# Altium PCB as_x31.PcbDoc (part 5 of 6)
Units mm, origin at the board's own origin, x right, y up, seen from the top; angles counter-clockwise.
Board outline 130 x 100 mm, 6 copper layers (Top Layer, Ground_1, int_1, int_2, Power, Bottom Layer), stack 1.49 mm thick; 421 components, 378 nets, 2561 pads, 1344 vias.
Unrouted connection lines stored in the file: 3.
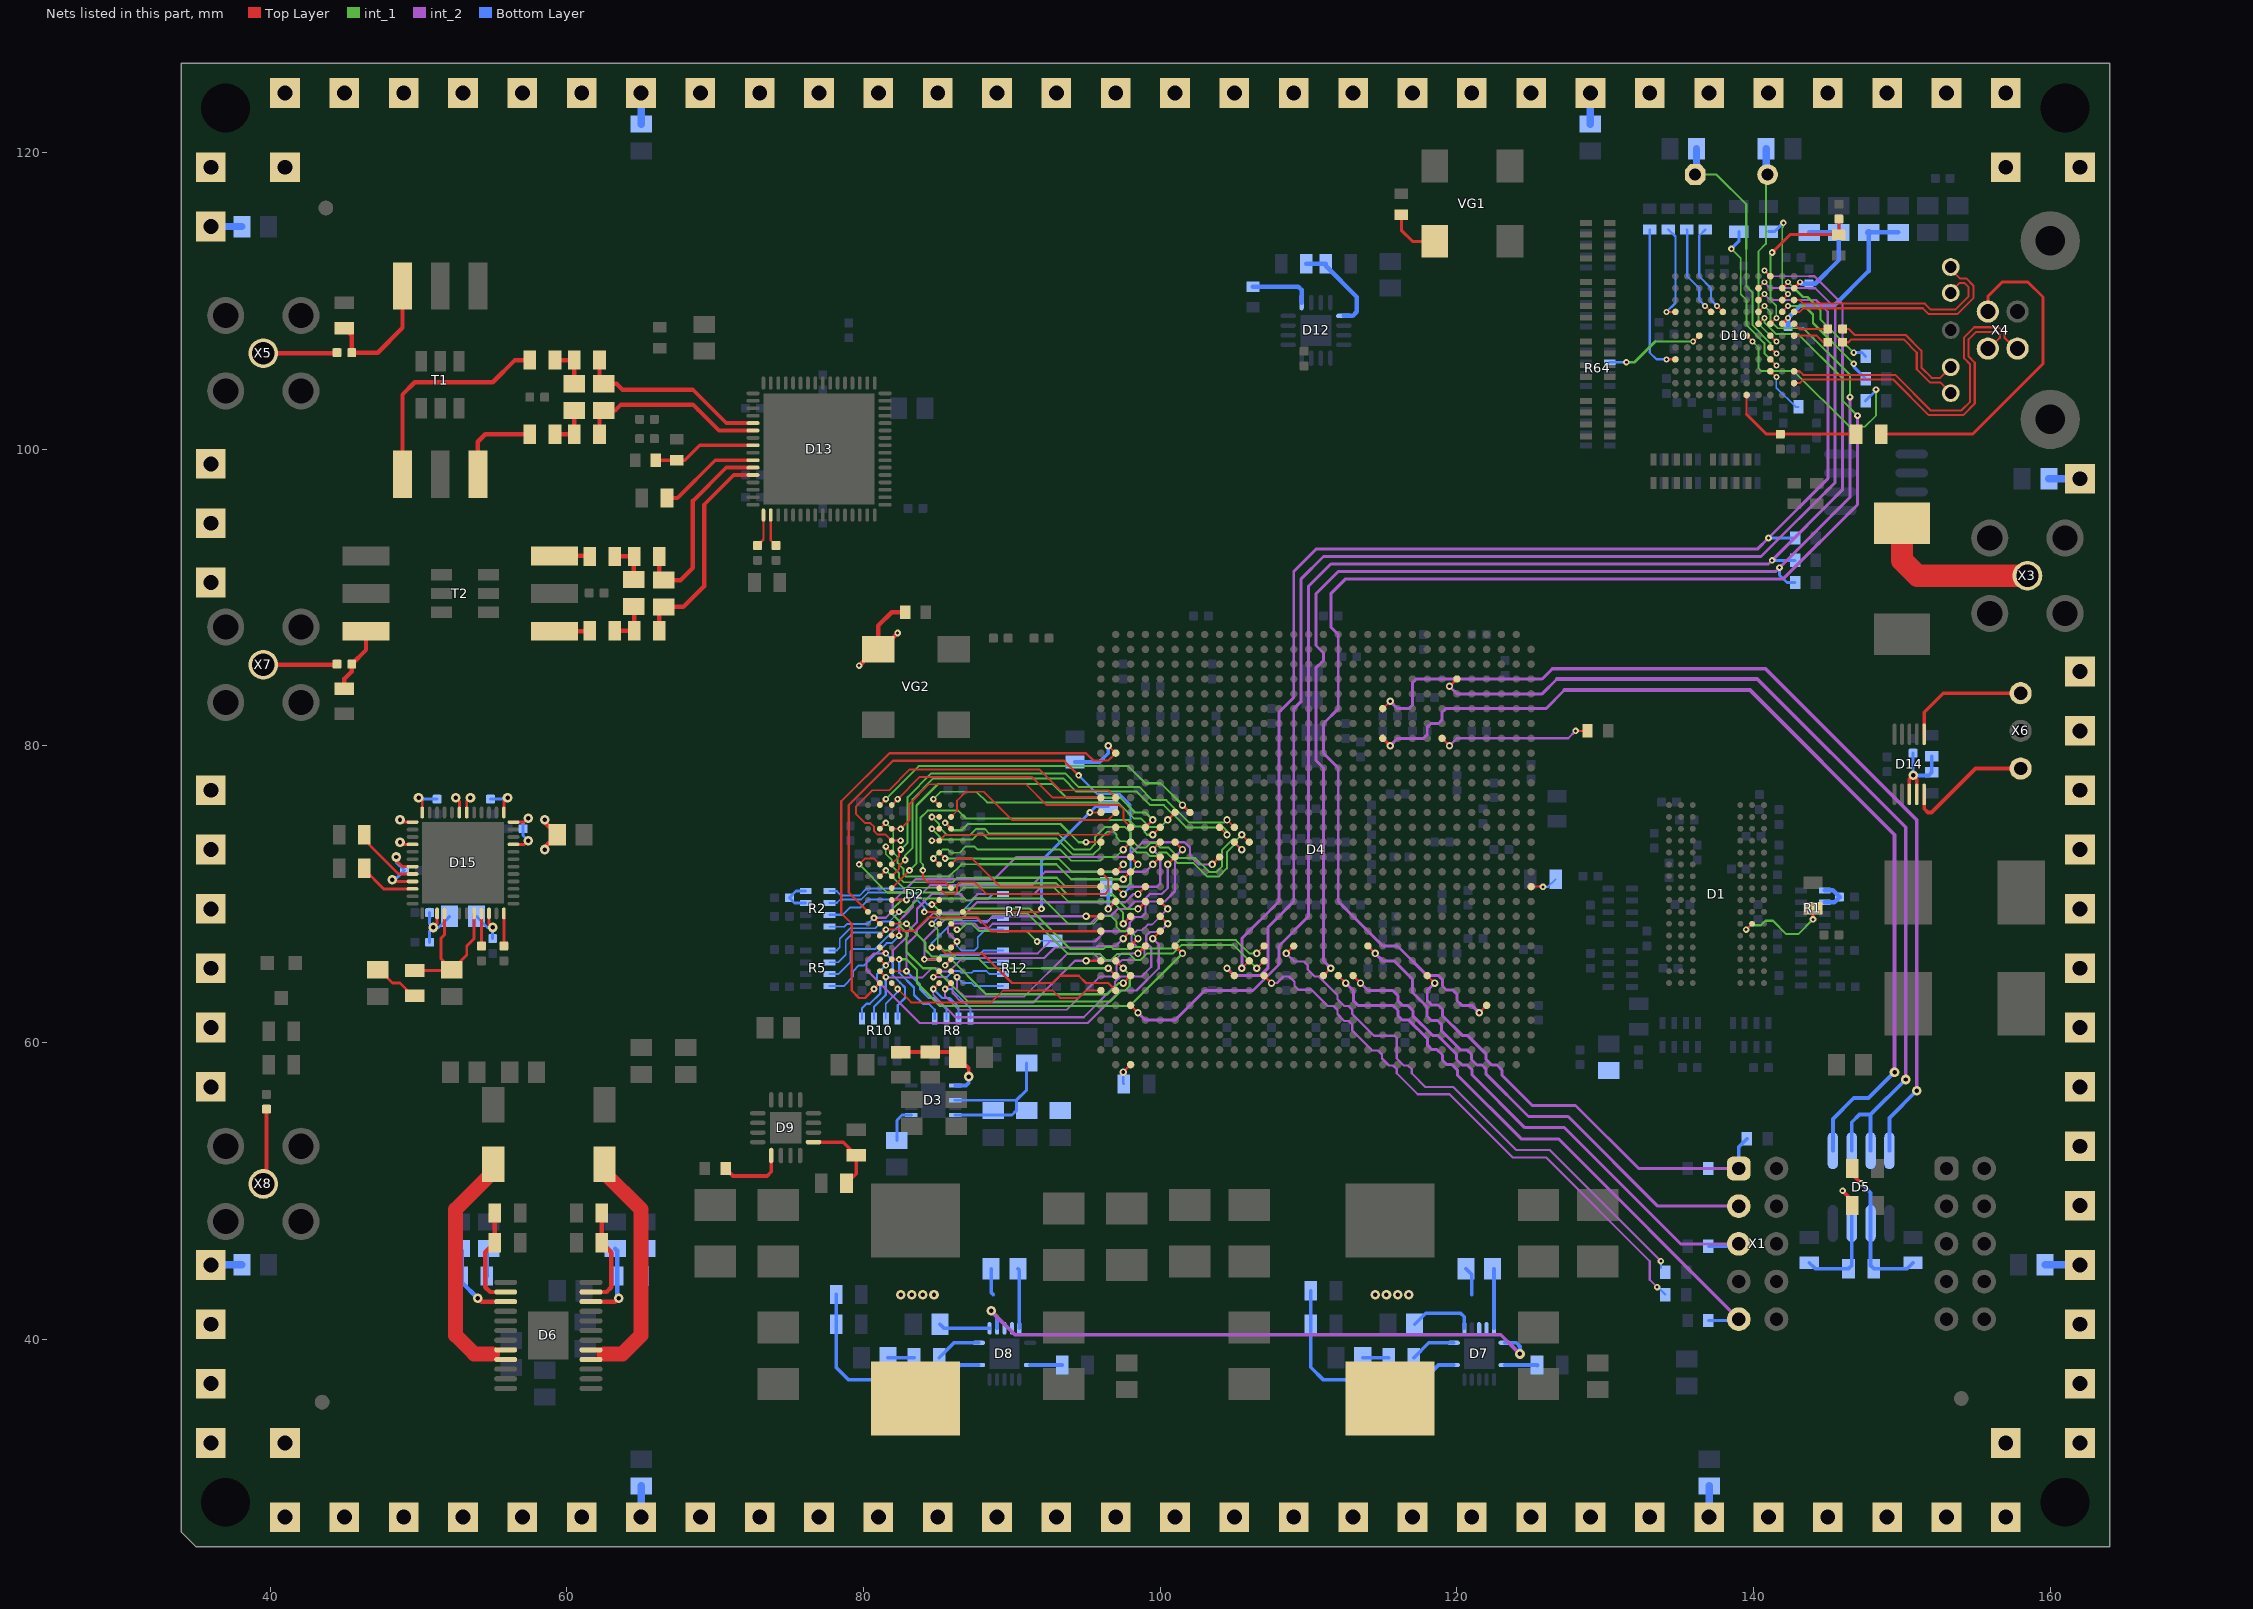
[diagram p9: the nets of this part, all layers, seen from the top]

## Via types
v1: diameter 0.5, hole 0.25, Top Layer to Bottom Layer, 538 vias
v2: diameter 0.45, hole 0.2, Top Layer to Bottom Layer, 348 vias
v3: diameter 0.65, hole 0.3, Top Layer to Bottom Layer, 223 vias
v4: diameter 0.5, hole 0.2, Top Layer to Bottom Layer, 100 vias
v5: diameter 0.4, hole 0.2, Top Layer to Bottom Layer, 83 vias
v6: diameter 0.75, hole 0.4, Top Layer to Bottom Layer, 45 vias
v7: diameter 0.6, hole 0.3, Top Layer to Bottom Layer, 7 vias

## Nets (pads, with @x,y where several pads share a name; then routed paths per layer and width w, separated by ;. In a path a pad name is that pad's centre, name@x,y a point inside that pad or via, vN(x,y) a via of type N, cw(c..) or ccw(c..) an arc to the next point about the centre after c; other vN are vias at no path point) (continued)
DDR1_A1: D2.P7 D4.A11 R12.8 | length 20.7
  Top Layer w0.125: v2(84.1,65.6) D2.P7@85.1,65.6
  Top Layer w0.15: v1(95,68.5) D4.A11@96,68.5
  int_2 w0.15: v2(84.1,65.6) 84.1,66.899 85.601,68.4 87.6,68.4 87.9,68.1 88.3,68.1 88.7,68.5 v1(95,68.5)
  Bottom Layer w0.125: 85.2,65.9 87.8,65.9 88.1,66.2
  Bottom Layer w0.15: v2(84.1,65.6) 84.9,65.6 85.2,65.9 ; 88.1,66.2 R12.8@89.4,66.2
DDR1_A2: D2.P3 D4.F9 R8.5 | length 28.8
  Top Layer w0.125: D2.P3@81.9,65.6 v2(82.4,65.6)
  Top Layer w0.15: D4.F9@101,66.5 v1(101.5,66)
  int_1 w0.15: v2(82.4,65.6) 82.9,65.6 83.6,64.9 83.6,64 85.15,62.45 97.95,62.45 v1(101.5,66)
  Bottom Layer w0.15: v2(82.4,65.6) 82.4,64.699 83.4,63.699 83.4,63.2 84,62.6 84.4,62.6 84.8,62.2 R8.5@84.8,61.6
DDR1_A3: D2.N2 D4.E10 R10.8 | length 33.4
  Top Layer w0.125: D2.N2@81.1,66.4 v2(81.5,66)
  Top Layer w0.15: v1(99.5,67) D4.E10@100,67.5
  int_2 w0.15: v2(81.5,66) 80.7,66 80.2,65.5 80.2,64.9 83.8,61.3 95.1,61.3 97.3,63.5 98.4,63.5 99.9,65 99.9,66.6 v1(99.5,67)
  Bottom Layer w0.15: v2(81.5,66) 81.975,65.525 81.975,64.525 82.475,64.025 ; R10.8@82.3,61.6 82.3,62.5 82.8,63 82.8,63.701 82.476,64.025
DDR1_A4: D2.P8 D4.F16 R12.7 | length 26.5
  Top Layer w0.125: v2(85.5,65.2) D2.P8@85.9,65.6
  Top Layer w0.15: D4.F16@101,73.5 v1(101.5,73)
  int_2 w0.125: v2(85.5,65.2) 86.3,66 91.75,66 92.55,66.8
  int_2 w0.15: 92.55,66.8 95.6,66.8 96.3,67.5 97.636,67.5 97.95,67.814 97.95,68.086 98.314,68.45 98.75,68.45 99,68.7 99,69.2 99.3,69.5 100.3,69.5 101,70.2 101,72.5 v1(101.5,73)
  Bottom Layer w0.125: v2(85.5,65.2) 85.913,65.613 87.787,65.613 88,65.4 R12.7@89.4,65.4
DDR1_A5: D2.P2 D4.E16 R10.5 | length 30.5
  Top Layer w0.125: D2.P2@81.1,65.6 v2(81.5,65.2)
  Top Layer w0.15: v1(99.5,73) D4.E16@100,73.5
  int_2 w0.15: v2(81.5,65.2) 81.975,65.675 81.975,66.174 83,67.199 83,67.499 83.6,68.099 83.6,69 84.6,70 86.499,70 86.924,69.575 87.276,69.575 87.701,70 91.5,70 92,70.5 99.8,70.5 100,70.7 100,72.5 v1(99.5,73)
  Bottom Layer w0.15: R10.5@79.9,61.6 79.9,62.3 80.2,62.6 80.425,62.6 81.125,63.3 81.125,63.975 80.9,64.2 80.9,64.6 v2(81.5,65.2)
DDR1_A6: D2.R8 D4.D9 R12.5 | length 19.4
  Top Layer w0.125: D2.R8@85.9,64.8 v2(86.3,64.4)
  Top Layer w0.15: v1(98.5,66) D4.D9@99,66.5
  int_2 w0.125: v2(86.3,64.4) 86.3,63.6 86.8,63.1 90.85,63.1 93.75,66 95.5,66 96,65.5 96.9,65.5 97.4,66 v1(98.5,66)
  Bottom Layer w0.125: v2(86.3,64.4) 86.687,64.013 87.271,64.013 87.483,63.8 R12.5@89.4,63.8
DDR1_A7: D2.R2 D4.C10 R10.6 | length 21.7
  Top Layer w0.125: D2.R2@81.1,64.8 v2(81.5,64.4)
  Top Layer w0.15: v1(97.5,67) D4.C10@98,67.5
  int_2 w0.125: v2(81.5,64.4) 81.512,64.387 83.987,64.387 84.6,65 85,65 85.212,64.788 85.788,64.788 86.7,65.7 92.2,65.7
  int_2 w0.15: 92.2,65.7 92.9,66.4 95.7,66.4 95.8,66.5 97,66.5 v1(97.5,67)
  Bottom Layer w0.15: R10.6@80.7,61.6 80.7,62.4 81.5,63.2 v2(81.5,64.4)
DDR1_A8: D2.T8 D4.E12 R8.8 | length 25.3
  Top Layer w0.125: v2(85.5,63.6) D2.T8@85.9,64
  Top Layer w0.15: D4.E12@100,69.5 v1(100.5,69)
  int_2 w0.125: v2(85.5,63.6) 85.5,63.1 86.4,62.2 93.694,62.2 95.931,64.437 96.737,64.437 97.062,64.762 97.062,65.2 97.425,65.562 98.681,65.562 98.937,65.819 98.937,66.181 98.681,66.437 98.444,66.437 98.063,66.819 98.063,67.181 98.444,67.562 98.762,67.562 99.144,67.944 99.444,67.944 v1(100.5,69)
  Bottom Layer w0.125: v2(85.5,63.6) 85.9,63.6 87.2,62.3 R8.8@87.2,61.6
DDR1_A9: D2.R3 D4.D13 R8.6 | length 25.2
  Top Layer w0.125: D2.R3@81.9,64.8 v2(82.9,64.8)
  Top Layer w0.15: v1(98.5,70) D4.D13@99,70.5
  int_2 w0.15: v2(82.9,64.8) 82.9,66.6 83.6,67.3 83.6,67.6 84.175,68.175 ; 84.175,68.176 84.699,68.7 86.9,68.7 87.65,69.45 97.65,69.45 98.2,70 v1(98.5,70)
  Bottom Layer w0.15: v2(82.9,64.8) 83.8,63.9 83.8,63.6 84.4,63 84.8,63 85.6,62.2 R8.6@85.6,61.6
DDR1_A10: D2.L7 D4.B7 R7.8 | length 20.6
  Top Layer w0.125: v2(84.6,68) D2.L7@85.1,68
  Top Layer w0.15: v1(96.5,65) D4.B7@97,64.5
  int_1 w0.125: v2(84.6,68) 85,67.6 85,66.6 85.4,66.2 85.7,66.2 86.2,65.7 87.7,65.7 88.4,65 92,65
  int_1 w0.15: 92,65 v1(96.5,65)
  Bottom Layer w0.125: 85.3,68.7 85.349,68.749 86.549,68.749 87.5,69.7 88.4,69.7
  Bottom Layer w0.15: v2(84.6,68) 85.3,68.7 ; 88.4,69.7 88.7,70 R7.8@89.4,70
DDR1_A11: D2.R7 D4.A8 R12.6 | length 19.1
  Top Layer w0.125: v2(84.7,64.4) D2.R7@85.1,64.8
  Top Layer w0.15: v1(95,65.5) D4.A8@96,65.5
  int_2 w0.125: v2(84.7,64.4) 85.5,64.4 86,63.9 86,63.3 86.6,62.7
  int_2 w0.15: 86.6,62.7 91.45,62.7 94.25,65.5 v1(95,65.5)
  Bottom Layer w0.125: v2(84.7,64.4) 85.6,64.4 86,64.8 86.117,64.8 86.129,64.813 86.471,64.813 86.583,64.7 87.3,64.7 87.413,64.813 88.287,64.813 88.5,64.6 R12.6@89.4,64.6
DDR1_A12: D2.N7 D4.B6 R7.6 | length 19.8
  Top Layer w0.125: v2(84.6,66.4) D2.N7@85.1,66.4 85.5,66 88,66
  Top Layer w0.15: 88,66 90,64 92.75,64 93.25,64.5 94.5,64.5 95,64 96.5,64 D4.B6@97,63.5
  Bottom Layer w0.125: 84.6,66.7 86.1,68.2 88.4,68.2
  Bottom Layer w0.15: v2(84.6,66.4) 84.6,66.7 ; 88.4,68.2 88.6,68.4 R7.6@89.4,68.4
DDR1_A13: D2.T3 D4.A6 R10.7 | length 17.7
  Top Layer w0.125: D2.T3@81.9,64 v2(82.3,63.6) 83.2,62.7 88.6,62.7 89.4,63.5 92.75,63.5 93.25,63 94.5,63 95,63.5 D4.A6@96,63.5
  Bottom Layer w0.125: R10.7@81.5,61.6 81.5,62.6 82.3,63.4 v2(82.3,63.6)
DDR1_A14: D2.T7 D4.E11 R8.7 | length 25.6
  Top Layer w0.125: v2(84.7,63.6) D2.T7@85.1,64
  Top Layer w0.15: D4.E11@100,68.5 v1(100.5,68)
  int_2 w0.125: v2(84.7,63.6) 84.7,63.2 85.7,62.2
  int_2 w0.15: 85.7,62.2 86.2,61.7 94.836,61.7 96.95,63.814 96.95,64.086 97.314,64.45 98.75,64.45 99.4,65.1 99.4,66.4 99.05,66.75 99.05,67.186 99.314,67.45 99.95,67.45 v1(100.5,68)
  Bottom Layer w0.15: v2(84.7,63.6) 85.3,63 85.8,63 86.4,62.4 R8.7@86.4,61.6
DDR1_BA0: D2.M2 D4.A10 R5.6 | length 21.2
  Top Layer w0.125: D2.M2@81.1,67.2 v2(81.5,67.6) 81.512,67.613 82.571,67.613 82.683,67.5 83.4,67.5 84.313,68.413 87.687,68.413 87.7,68.4
  Top Layer w0.15: 87.7,68.4 88.6,67.5 D4.A10@96,67.5
  Bottom Layer w0.125: R5.6@77.7,65.4 78.3,65.4 78.8,65.9 78.8,66.9 79.3,67.4 81.3,67.4 v2(81.5,67.6)
DDR1_BA1: D2.N8 D4.F15 R7.5 | length 24.8
  Top Layer w0.125: D2.N8@85.9,66.4 v2(86.3,66.8)
  Top Layer w0.15: v1(100.5,72) D4.F15@101,72.5
  int_2 w0.15: v2(86.3,66.8) 85.7,67.4 85.7,67.8 85.925,68.025 87.475,68.025 87.8,67.7 88.4,67.7 88.7,68 95.3,68 95.85,68.55 96.686,68.55 97.136,69 97.8,69 98.3,69.5 98.8,69.5 99.3,70 100.1,70 100.5,70.4 v1(100.5,72)
  Bottom Layer w0.125: v2(86.3,66.8) 86.3,66.5 86.6,66.2 87.5,66.2 87.7,66.4 87.7,67.1 88.2,67.6
  Bottom Layer w0.15: 88.2,67.6 R7.5@89.4,67.6
DDR1_BA2: D2.M3 D4.E15 R5.8 | length 27.4
  Top Layer w0.125: D2.M3@81.9,67.2 v2(82.4,67.2)
  Top Layer w0.15: v1(99.5,72) D4.E15@100,72.5
  int_2 w0.15: v2(82.4,67.2) 82.4,68.199 82.825,68.624 83.325,69.125 83.325,69.425 84.5,70.6 91.35,70.6 92.25,71.5 99,71.5 v1(99.5,72)
  Bottom Layer w0.125: R5.8@77.7,63.8 78.651,63.8 79.3,64.45 79.3,64.8 79.689,65.189 80.039,65.189 81.55,66.7 81.9,66.7 v2(82.4,67.2)
DDR1_CAS: D2.K3 D4.C9 R5.5 | length 25.7
  Top Layer w0.125: D2.K3@81.9,68.8 v2(82.4,68.8)
  Top Layer w0.15: D4.C9@98,66.5 v1(98.5,67)
  int_1 w0.125: v2(82.4,68.8) 82.8,68.8 83.713,69.713 86.804,69.713 86.929,69.588 87.271,69.588 87.396,69.713 92.087,69.713 93.8,68 95.5,68 96,68.5 96.7,68.5 97.062,68.138 97.062,67.781 97.344,67.5 98,67.5 v1(98.5,67)
  Bottom Layer w0.125: R5.5@77.7,66.2 78.2,66.2 78.4,66.4 78.4,67 79.1,67.7 80.8,67.7 81.25,68.15 81.75,68.15 v2(82.4,68.8)
DDR1_CK_N: D2.K7 D4.M8 R2.6 | length 34.6
  Top Layer w0.125: v2(84.1,68.8) 84.5,68.8 D2.K7@85.1,68.8 ; v1(106.5,65) D4.M8@107,65.5
  int_1 w0.13: v2(84.1,68.8) 84.7,68.8 85.2,68.3 86.6,68.3 87,68.7 91.05,68.7 93.78,65.97 95.908,65.97 96.318,65.56 96.682,65.56 97.092,65.97 97.908,65.97 98.318,65.56 98.682,65.56 99.1,65.978 99.1,66 100.878,66 101.448,66.57 104.93,66.57 v1(106.5,65)
  Bottom Layer w0.125: R2.6@77.7,69.4 78.2,69.4 78.435,69.635 79.835,69.635 80.3,70.1 83.113,70.1 84.1,69.113 v2(84.1,68.8)
DDR1_CK_P: D2.J7 D4.M9 R2.5 | length 33.3
  Top Layer w0.125: v2(84.6,69.3) 84.8,69.3 D2.J7@85.1,69.6 ; v1(106.5,66) D4.M9@107,66.5
  int_1 w0.13: v2(84.6,69.3) 84.667,69.3 85.337,68.63 86.463,68.63 86.863,69.03 91.187,69.03 93.917,66.3 96.178,66.3 96.318,66.44 96.682,66.44 96.822,66.3 97.984,66.3 98.014,66.33 98.022,66.322 98.14,66.44 98.86,66.44 98.97,66.33 100.741,66.33 101.311,66.9 105.1,66.9 106,66 v1(106.5,66)
  Bottom Layer w0.125: R2.5@77.7,70.2 78.2,70.2 78.5,69.9 79.725,69.9 80.19,70.365 83.222,70.365 84.287,69.3 v2(84.6,69.3)
DDR1_CKE: D2.K9 D4.A18 R16.2 | length 15.4
  Top Layer w0.125: D2.K9@86.7,68.8 87.7,68.8 91.8,68.8 v2(92,69) ; v2(95.25,75.5) D4.A18@96,75.5
  Bottom Layer w0.2: v2(92,69) 92,72.25 v2(95.25,75.5) 95.65,75.9 R16.2@96.5,75.9
DDR1_CS: D2.L2 D4.J15 R2.8 | length 30.7
  Top Layer w0.125: v2(80.7,68.4) D2.L2@81.1,68
  Top Layer w0.15: v1(103.5,72) D4.J15@104,72.5
  int_2 w0.15: v2(80.7,68.4) 81.5,68.4 81.975,68.875 81.975,69.475 83.5,71 88.8,71 90.3,72.5 97.8,72.5 98.8,73.5 101.636,73.5 102,73.136 102,72.6 102.6,72 v1(103.5,72)
  Bottom Layer w0.125: R2.8@77.7,67.8 78.7,67.8 78.889,67.989 80.288,67.989 v2(80.7,68.4)
DDR1_DM0: D2.E7 D4.B14 | length 13.9
  Top Layer w0.125: D2.E7@85.1,72.8 v2(85.5,72.4)
  Top Layer w0.15: D4.B14@97,71.5 v1(97.5,72)
  int_1 w0.125: v2(85.5,72.4) 85.513,72.387 88,72.387
  int_1 w0.15: 88,72.387 93.15,72.387 94.038,71.5 97,71.5 v1(97.5,72)
DDR1_DM1: D2.D3 D4.B19 | length 23.7
  Top Layer w0.125: v2(82.5,73.6) D2.D3@81.9,73.6 81.487,74.013 80.939,74.013 80.712,74.239 80.712,74.536 80.46,74.788 80.129,74.788 79.488,75.429 79.488,75.888 80.6,77 81.725,77 83.125,78.4 91.85,78.4 93.25,77 96.5,77 D4.B19@97,76.5
DDR1_DQ0: D2.E3 D4.C15 | length 21.4
  Top Layer w0.125: v2(81.5,73.2) D2.E3@81.9,72.8
  Top Layer w0.15: D4.C15@98,72.5 v1(98.5,72)
  int_1 w0.125: v2(81.5,73.2) 81.5,72.7 81.9,72.3 81.9,71.9 82.4,71.4 82.4,71.1 82.7,70.8 86,70.8 86.3,71.1 87.475,71.1 ; 97.25,70.5 97.75,70.5 98,70.75 98,71.5 v1(98.5,72)
  int_1 w0.15: 87.475,71.1 93.031,71.1 93.631,70.5 97.25,70.5
DDR1_DQ1: D2.F7 D4.C16 | length 15.3
  Top Layer w0.125: v2(84.7,72.4) D2.F7@85.1,72
  Top Layer w0.15: v1(97.5,73) D4.C16@98,73.5
  int_1 w0.125: v2(84.7,72.4) 85.3,73 85.7,73 85.913,72.787 86.471,72.787 86.896,73.213 87.471,73.213 87.683,73 93.25,73 94,72.25 95.95,72.25 96.2,72.5 97,72.5 v1(97.5,73)
DDR1_DQ2: D2.F2 D4.C11 | length 22.6
  Top Layer w0.125: v2(79.7,72) 80.1,72.4 80.7,72.4 D2.F2@81.1,72
  Top Layer w0.15: v1(97.5,68) D4.C11@98,68.5
  int_1 w0.125: v2(79.7,72) 81.6,70.1 86.4,70.1 86.737,70.437 92.863,70.437 93.8,69.5 96.75,69.5 97.5,68.75 v1(97.5,68)
DDR1_DQ3: D2.F8 D4.A13 | length 11
  Top Layer w0.125: D2.F8@85.9,72 86.288,72.388 87.312,72.388 89.2,70.5 D4.A13@96,70.5
DDR1_DQ4: D2.H3 D4.D17 | length 24.5
  Top Layer w0.125: D2.H3@81.9,70.4 v2(83.1,71.6)
  Top Layer w0.15: D4.D17@99,74.5 v1(99.5,75)
  int_1 w0.125: v2(83.1,71.6) 83.575,72.075 83.575,75.975 83.6,76
  int_1 w0.15: 83.6,76 85.025,77.425 92.75,77.425 93.675,76.5 97.3,76.5 98.3,75.5 99,75.5 v1(99.5,75)
DDR1_DQ5: D2.H8 D4.E17 | length 23.6
  Top Layer w0.125: v2(84,71.6) 84,71.1 84.313,70.787 85.513,70.787 D2.H8@85.9,70.4
  Top Layer w0.15: v1(99.5,74) D4.E17@100,74.5
  int_1 w0.125: 83.837,75.139 83.837,72.163 84,72 v2(84,71.6)
  int_1 w0.15: 83.837,75.139 84.324,75.625 86.375,75.625 86.9,75.1 94.6,75.1 94.7,75 97.864,75 98.314,74.55 98.725,74.55 98.95,74.325 98.95,74.175 99.125,74 v1(99.5,74)
DDR1_DQ6: D2.G2 D4.D12 | length 19.6
  Top Layer w0.125: D2.G2@81.1,71.2 v2(81.5,71.6)
  Top Layer w0.15: v1(98.5,69) D4.D12@99,69.5
  int_1 w0.125: v2(81.5,71.6) 82.675,70.425 86.125,70.425 86.4,70.7
  int_1 w0.15: 86.4,70.7 86.425,70.725 92.982,70.725 93.707,70 96.75,70 97.75,69 v1(98.5,69)
DDR1_DQ7: D2.H7 D4.A14 | length 14
  Top Layer w0.125: D2.H7@85.1,70.4 85.5,70 86.1,70 86.3,70.2 86.3,70.548 86.552,70.8 87.5,70.8 88.3,70 96.25,70 96.5,70.25 96.5,71 D4.A14@96,71.5
DDR1_DQ8: D2.D7 D4.B17 | length 12.8
  Top Layer w0.125: v2(84.6,73.6) D2.D7@85.1,73.6 85.5,74 87.717,74 87.729,74.013 88.071,74.013 88.083,74 96.5,74 D4.B17@97,74.5
DDR1_DQ9: D2.C3 D4.C17 | length 19.6
  Top Layer w0.125: D2.C3@81.9,74.4 v2(82.5,74.4) 83.1,75 83.1,76.1 84.4,77.4 90.95,77.4 92.35,76 97.225,76 97.525,75.7 97.525,74.975 D4.C17@98,74.5
DDR1_DQ10: D2.C8 D4.A16 | length 12
  Top Layer w0.125: v2(85.5,74.8) D2.C8@85.9,74.4 ; v2(95,73.5) D4.A16@96,73.5
  int_1 w0.15: v2(85.5,74.8) 86,74.3 86.6,74.3 87.025,74.725 93.275,74.725 94.5,73.5 v2(95,73.5)
DDR1_DQ11: D2.C2 D4.C14 | length 20.9
  Top Layer w0.125: D2.C2@81.1,74.4 v2(81.5,74.8)
  Top Layer w0.15: v1(97.5,71) D4.C14@98,71.5
  int_1 w0.125: v2(81.5,74.8) 82,74.3 82,72.8 82.3,72.5 82.3,72.1 82.687,71.713 82.687,71.313 82.813,71.188 85.788,71.188 86.613,72.013 87.7,72.013
  int_1 w0.15: 87.7,72.013 92.987,72.013 94,71 v1(97.5,71)
DDR1_DQ12: D2.A7 D4.F18 | length 18.5
  Top Layer w0.125: v2(84.7,76.4) D2.A7@85.1,76
  Top Layer w0.15: v1(100.5,75) D4.F18@101,75.5
  int_1 w0.125: v2(84.7,76.4) 85.2,76.9 87.6,76.9 88.325,76.175 97.15,76.175 98.225,75.1 98.7,75.1 99.275,74.525 100.025,74.525 v1(100.5,75)
DDR1_DQ13: D2.A2 D4.G18 | length 23.3
  Top Layer w0.125: D2.A2@81.1,76 v2(81.5,76.4)
  Top Layer w0.15: v1(101.5,76) D4.G18@102,75.5
  int_1 w0.15: v2(81.5,76.4) 83.725,78.625 97.85,78.625 99,77.475 100.025,77.475 v1(101.5,76)
DDR1_DQ14: D2.B8 D4.B18 | length 13.2
  Top Layer w0.125: D2.B8@85.9,75.2 86.3,75.6 86.3,76.3 86.9,76.9 88.1,76.9 90,75 96.5,75 D4.B18@97,75.5
DDR1_DQ15: D2.A3 D4.A19 | length 15.5
  Top Layer w0.125: D2.A3@81.9,76 v2(82.3,76.4) 83.8,77.9 91.35,77.9 92.75,76.5 D4.A19@96,76.5
DDR1_DQS0_N: D2.G3 D4.J17 | length 30
  Top Layer w0.125: D2.G3@81.9,71.2 82.4,71.7 82.4,71.9 v2(82.8,72.3) ; D4.J17@104,74.5 v1(104.5,74)
  int_1 w0.13: v2(82.8,72.3) 82.8,72.607 83.3,73.107 83.3,76.4 84.7,77.8 93.45,77.8 94.35,76.9 98.425,76.9 99.325,76 100.25,76 101.75,74.5 104.25,74.5 104.5,74.25 v1(104.5,74)
DDR1_DQS0_P: D2.F3 D4.K17 | length 29.3
  Top Layer w0.125: D2.F3@81.9,72 81.9,72.032 82.4,72.532 82.4,72.9 v2(82.5,73) ; v1(104.5,75) D4.K17@105,74.5
  int_1 w0.13: v2(82.5,73) 82.97,73.47 82.97,76.537 84.563,78.13 93.587,78.13 94.487,77.23 98.57,77.23 99.47,76.33 100.42,76.33 101.92,74.83 104.33,74.83 v1(104.5,75)
DDR1_DQS1_N: D2.B7 D4.L16 | length 27.8
  Top Layer w0.125: v2(84.6,75.2) D2.B7@85.1,75.2 ; v1(105.5,74) D4.L16@106,73.5
  int_1 w0.13: v2(84.6,75.2) 85.09,74.71 85.09,74.503 85.593,74 87.2,74 87.6,74.4 88.154,74.4 88.474,74.08 93.137,74.08 94.217,73 95.25,73 95.6,73.35 95.6,73.837 96.293,74.53 97.592,74.53 98,74.122 98,73.7 98.57,73.13 99.008,73.13 99.318,73.44 99.682,73.44 99.992,73.13 100.57,73.13 101.27,72.43 102.37,72.43 103.3,71.5 103.8,71.5 104.17,71.87 104.17,72.972 104.863,73.665 105.165,73.665 v1(105.5,74)
DDR1_DQS1_P: D2.C7 D4.K16 | length 27.4
  Top Layer w0.125: v2(84.6,74.4) D2.C7@85.1,74.4 ; D4.K16@105,73.5 v1(105.5,73)
  int_1 w0.13: v2(84.6,74.4) 85.33,73.67 87.337,73.67 87.737,74.07 88.017,74.07 88.337,73.75 93,73.75 94.08,72.67 95.5,72.67 95.93,73.1 95.93,73.7 96.43,74.2 96.86,74.2 97.06,74 97.06,73.818 97.318,73.56 97.673,73.56 98.433,72.8 99.078,72.8 99.318,72.56 99.682,72.56 99.922,72.8 100.433,72.8 101.133,72.1 102.233,72.1 103.163,71.17 103.937,71.17 104.5,71.733 104.5,72.835 105,73.335 105.165,73.335 v1(105.5,73)
DDR1_ODT: D2.K1 D4.B13 | length 36.1
  Top Layer w0.15: D2.K1@80.3,68.8 79,70.1 79,76 81.988,78.988 93.175,78.988 ; 93.175,78.987 93.513,78.987 v2(94.5,78) ; D4.B13@97,70.5 v1(97.5,70)
  Bottom Layer w0.15: v2(94.5,78) 95.75,76.75 97.25,76.75 98,76 98,70.5 v1(97.5,70)
DDR1_RAS: D2.J3 D4.B8 R2.7 | length 30.1
  Top Layer w0.125: D2.J3@81.9,69.6 v2(82.9,69.6)
  Top Layer w0.15: D4.B8@97,65.5 v1(97.5,65)
  int_1 w0.15: v2(82.9,69.6) 82.574,69.6 81.975,69.001 81.975,68.624 82.475,68.124 82.475,67.824 82.9,67.399 82.9,66.1 84,65 84.8,65 87.05,62.75 96.614,62.75 97.369,63.506 97.642,63.506 97.95,63.814 97.95,64.55 v1(97.5,65)
  Bottom Layer w0.125: 78.6,68.6 79.1,69.1 79.8,69.1 80.325,69.625 v2@82.875,69.625
  Bottom Layer w0.15: R2.7@77.7,68.6 78.6,68.6 ; v2@82.875,69.625 v2(82.9,69.6)
DDR1_RESET_N: D2.T2 D4.B22 R18.2 | length 39.5
  Top Layer w0.15: D2.T2@81.1,64 v2(80.7,63.6) 80.1,63 79.7,63 79.2,63.5 79.2,68 78.5,68.7 78.5,76.25 81.75,79.5 95,79.5 95.5,79 96.5,79 D4.B22@97,79.5 v1(96.5,80)
  Bottom Layer w0.25: R18.2@94.25,78.9 95.9,78.9 96.5,79.5 v1(96.5,80)
DDR1_WE: D2.L3 D4.C7 R5.7 | length 25.9
  Top Layer w0.125: D2.L3@81.9,68 v2(82.9,68)
  Top Layer w0.15: v1(97.5,64) D4.C7@98,64.5
  int_1 w0.15: v2(82.9,68) 84.175,66.725 84.175,66.224 84.599,65.8 85.7,65.8 88.25,63.25 96.45,63.25 97.2,64 v1(97.5,64)
  Bottom Layer w0.125: R5.7@77.7,64.6 78.3,64.6 79.1,65.4 79.1,66.1 79.3,66.3 80.797,66.3 81.672,67.175 81.676,67.175 82.501,68 v2(82.9,68)
FPGA_CONF_DONE: D4.L8 D10.D3 R31.2 | length 85.9
  Top Layer w0.125: D10.D3@140.329,110.046 v5(140.729,110.446)
  Top Layer w0.15: v1(105.5,65) D4.L8@106,65.5
  int_2 w0.125: v5(140.729,110.446) 141.129,110.046 143.729,110.046